# Altium PCB PCB4.PcbDoc (part 10 of 12) (continued)
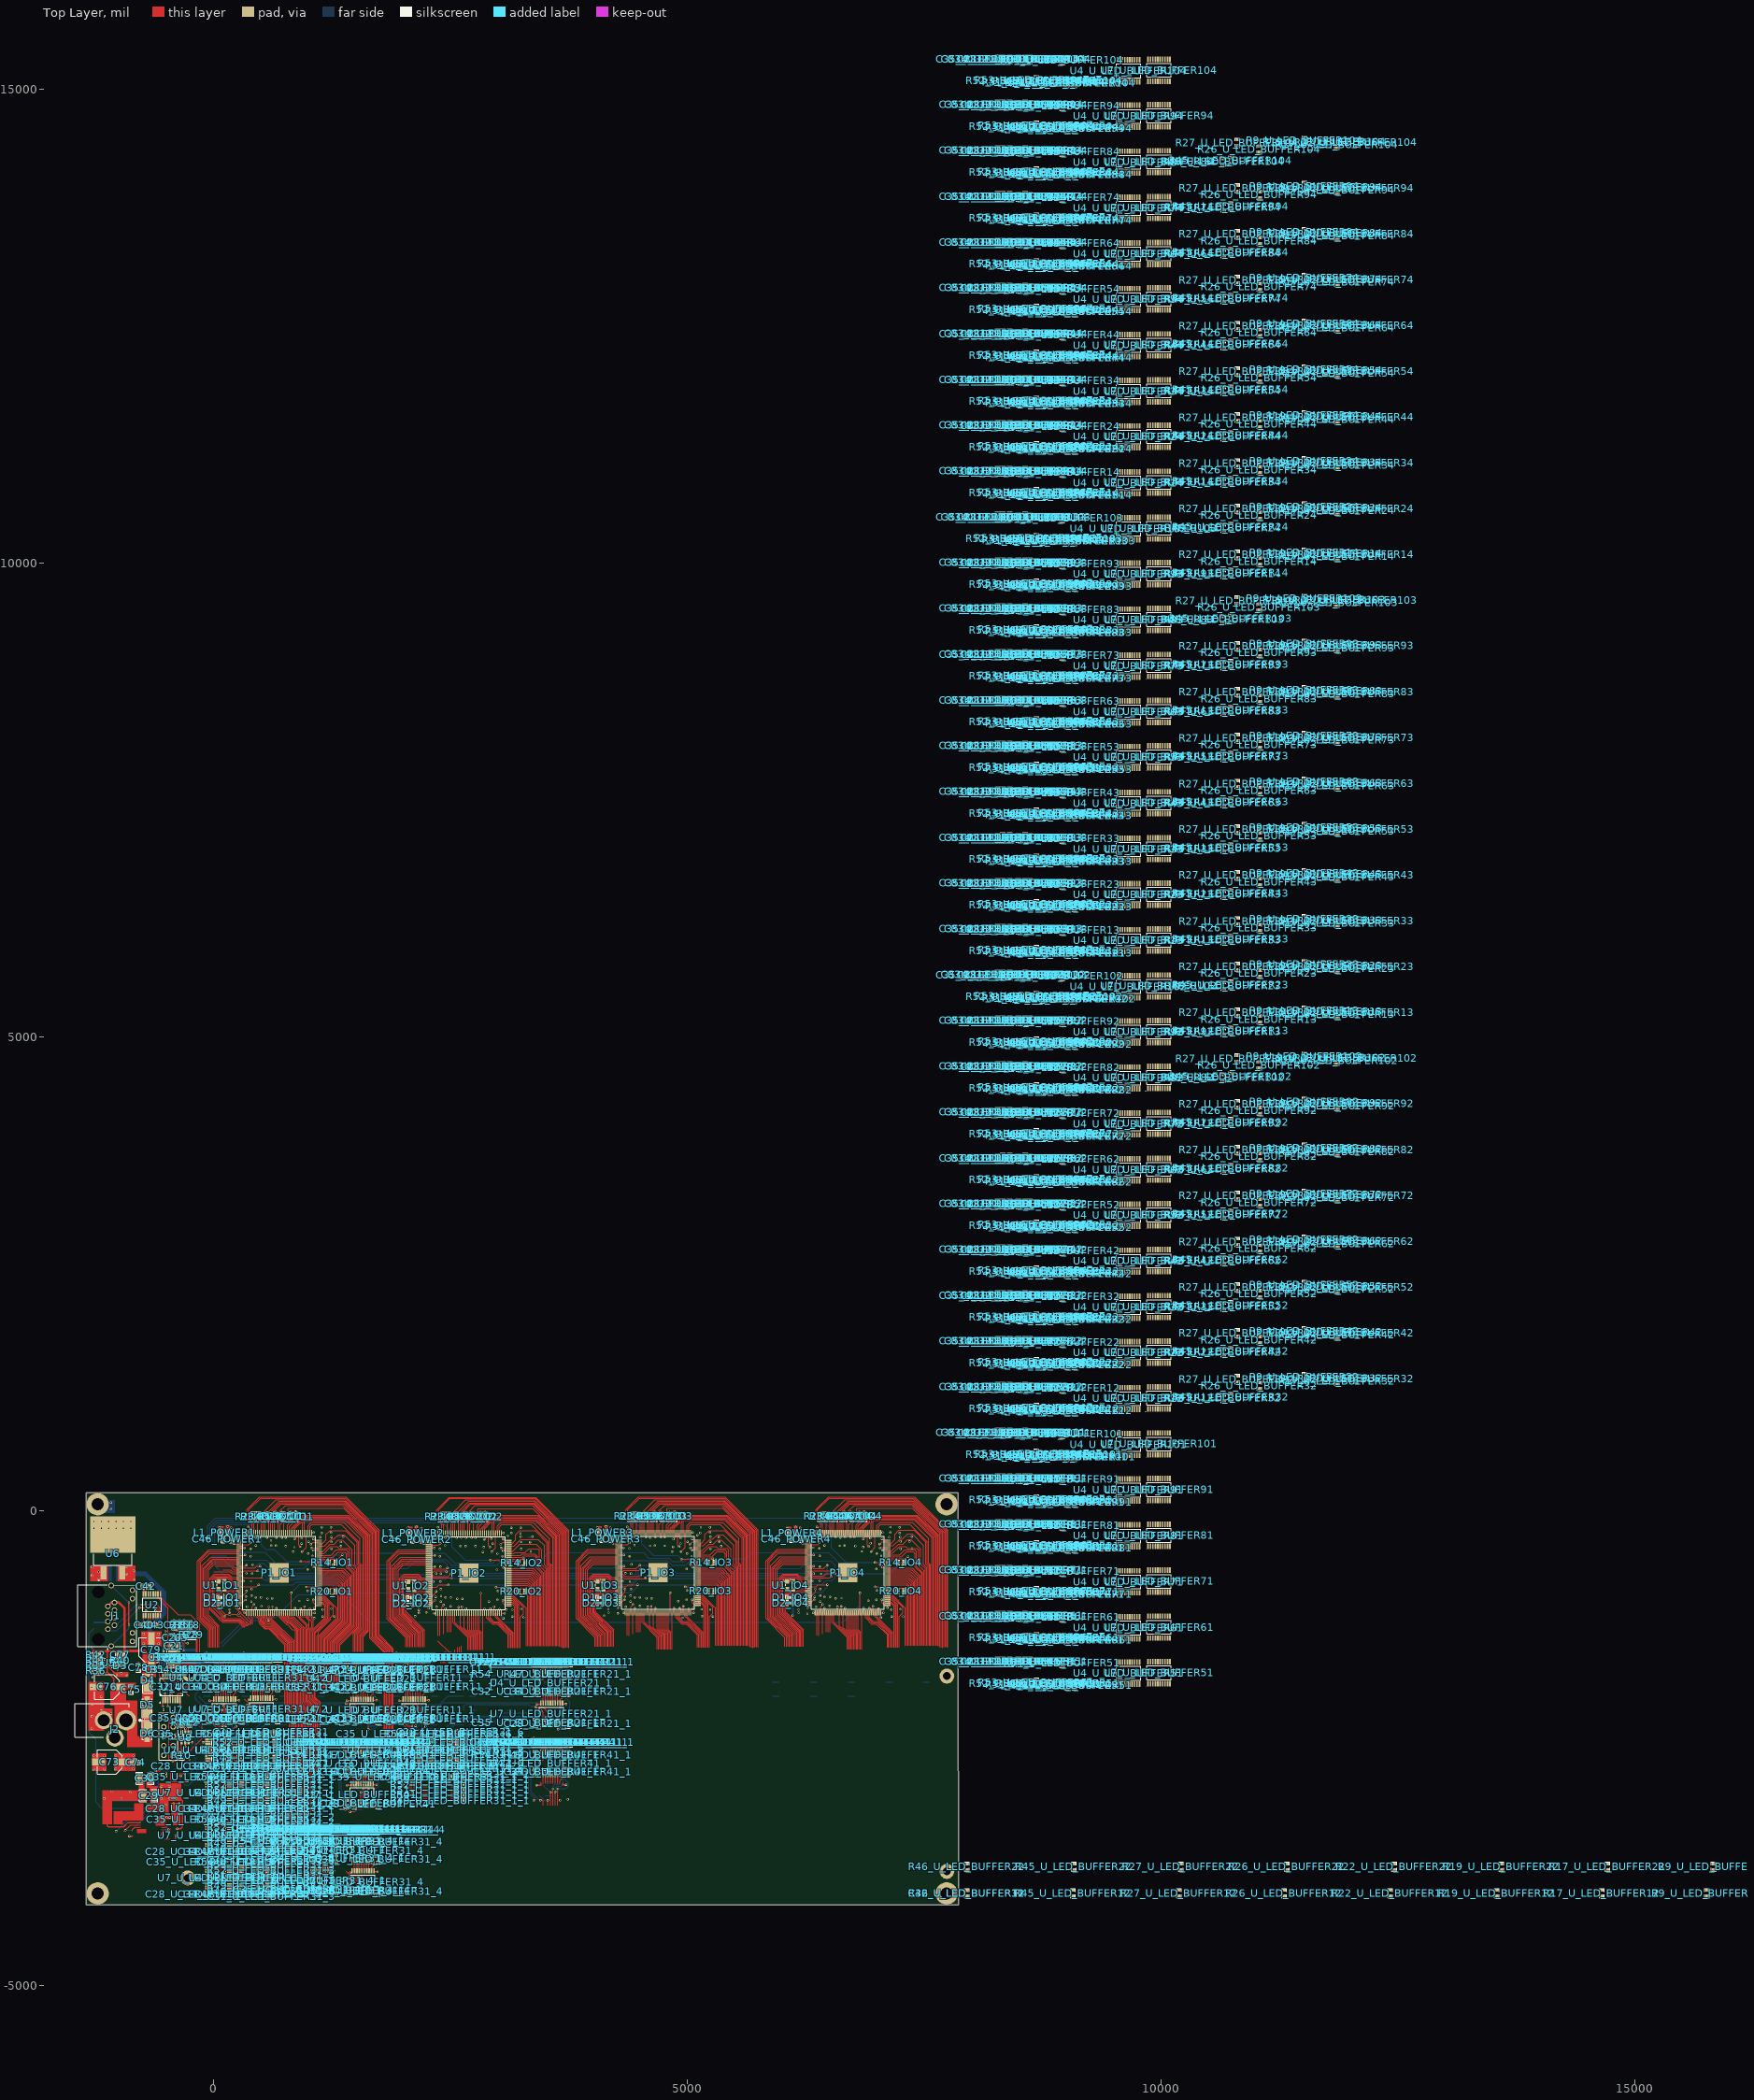
[diagram p0: Top Layer view]
## Nets (pads, with @x,y where several pads share a name; then routed paths per layer and width w, separated by ;. In a path a pad name is that pad's centre, name@x,y a point inside that pad or via, vN(x,y) a via of type N, cw(c..) or ccw(c..) an arc to the next point about the centre after c; other vN are vias at no path point) (continued)
  Bottom Layer w10: J1.2@-1042.5,-1204.1 -1024.09,-1204.1 -806.39,-986.4 v1(-754.3,-986.4)
RS232_TX: J1.1 U2.7 | length 716.3
  Top Layer w10: v1(-779.38,-1019.2) -589.6,-1019.2 -583.13,-1025.68 U2.7@-583.13,-1102.87
  Bottom Layer w10: J1.1@-1112.58,-1244.26 -1095.99,-1260.84 -1021.03,-1260.84 v1(-779.38,-1019.2)
SCL: P1_IO1.97 R14_IO1.1 | length 1572.1
  Top Layer w10: P1_IO1.97@1116.22,-523.1 1207,-523.1 v1(1216,-532.1) R14_IO1.1@1225,-541.1
  Bottom Layer w7: -16.8,-570.35 -16.8,-512.65 -5,-500.84 100.18,-500.84 194.42,-595.08 429.11,-595.08 475.93,-548.26 530.3,-548.26 636.14,-654.11 1107.11,-654.11 1213.65,-547.57 1213.65,-534.45 v1(1216,-532.1)
SCL_IO2: P1_IO2.97 R14_IO2.1 | length 116.2
  Top Layer w10: P1_IO2.97@3117.32,-525.7 3208.1,-525.7 v1(3217.1,-534.7) R14_IO2.1@3226.1,-543.7
SCL_IO3: P1_IO3.97 R14_IO3.1 | length 116.2
  Top Layer w10: P1_IO3.97@5114.22,-522.25 5205,-522.25 v1(5214,-531.25) R14_IO3.1@5223,-540.25
SCL_IO4: P1_IO4.97 R14_IO4.1 | length 116.2
  Top Layer w10: P1_IO4.97@7117.22,-522.1 7208,-522.1 R14_IO4.1@7226,-540.1
  other v1: 7217,-531.1
SDA: P1_IO1.80 R20_IO1.1 | length 1467.6
  Top Layer w10: P1_IO1.80@1116.22,-857.75 1219.75,-857.75 R20_IO1.1@1224.2,-853.3
  Bottom Layer w7: 81.44,-1392.32 353.77,-1120 660,-1120 820,-960 897.2,-882.8 1166.3,-882.8 1209.8,-839.3 v1(1210.2,-839.3)
SDA_IO2: P1_IO2.80 R20_IO2.1 | length 202.8
  Top Layer w10: R20_IO2.1@3225.3,-855.9 3220.85,-860.35 R20_IO2.1@3210.3,-860.35 ; R20_IO2.1@3210.3,-860.35 P1_IO2.80@3117.32,-860.35 R20_IO2.1@3210.3,-860.35
SDA_IO3: P1_IO3.80 R20_IO3.1 | length 202.8
  Top Layer w10: R20_IO3.1@5222.2,-852.45 5217.75,-856.9 R20_IO3.1@5207.2,-856.9 ; R20_IO3.1@5207.2,-856.9 P1_IO3.80@5114.22,-856.9 R20_IO3.1@5207.2,-856.9
SDA_IO4: P1_IO4.80 R20_IO4.1 | length 202.8
  Top Layer w10: R20_IO4.1@7225.2,-852.3 7220.75,-856.75 R20_IO4.1@7210.2,-856.75 ; R20_IO4.1@7210.2,-856.75 P1_IO4.80@7117.22,-856.75 R20_IO4.1@7210.2,-856.75
SHIELD: J1.MH1 J1.MH2 | length 799.5
  Top Layer w15: v1(-890,-1200) v1(-889.98,-964.5)
  Bottom Layer w15: J1.MH2@-1077.54,-1423.78 -890,-1236.24 v1(-890,-1200) ; J1.MH1@-1077.54,-783.63 -1076.37,-783.63 -895.5,-964.5 v1(-889.98,-964.5)
TCK: C36.2 P1_IO1.18 P1_IO2.18 P1_IO3.18 P1_IO4.18 P3.1 R12.2 U8.1 | length 8112.5
  Top Layer w7: P3.1@-422.4,-2575.5 -422.4,-2538.03 -370,-2485.63 -370,-2410 -350,-2390 -270,-2390 -259.6,-2379.6 U8.1@-259.6,-2338.69 -259.6,-2284.98 -252.71,-2278.09 v1(-252.71,-2273.49) ; R12.2@-253.4,-2255.5 -215.5,-2255.5 -143.02,-2183.02 -143.02,-2100.83 ; 100,-620 182.49,-620 203.7,-641.21 P1_IO1.18@270.71,-641.21 314.82,-641.21 326.03,-630 v1(470,-630) ; P1_IO2.18@2271.81,-643.81 2320.57,-643.81 2336.26,-628.12 2448.12,-628.12 v1(2460,-640) ; P1_IO3.18@4268.71,-640.36 4317.47,-640.36 4333.16,-624.67 4492.85,-624.67 4507.52,-610 v1(4510,-610) ; P1_IO4.18@6271.71,-640.21 6320.47,-640.21 6329.2,-631.48 6507.4,-631.48 6518.88,-620 v1(6520,-620)
  Bottom Layer w7: v1(470,-630) 472.5,-632.5 492.5,-632.5 570,-710 824,-710 834.91,-699.09 1250.91,-699.09 1283.03,-666.97 2286.97,-666.97 2310,-690 2430,-690 2472.6,-647.4 2472.6,-630 2490,-630 2750,-630 2797.37,-677.37 4077.2,-677.37 4169.77,-769.94 4400.06,-769.94 4488.03,-681.96 4488.03,-631.96 v1(4510,-610) 4792.58,-610 4862.94,-680.35 6210.35,-680.35 6238.63,-708.63 6432.35,-708.63 6520,-620.99 v1(6520,-620)
TDI: C39.2 P1_IO1.19 P3.9 R10.2 U8.4 | length 1580.4
  Top Layer w7: P3.9@-422.4,-2175.5 -470,-2223.1 -470,-2617.1 -453.51,-2633.59 -392.69,-2633.59 -371.81,-2612.71 -371.81,-2583.18 -347.23,-2558.6 -344.4,-2558.6 R10.2@-332.9,-2547.1 ; U8.4@-334.4,-2437.11 -334.4,-2521 -330,-2525.4 v1(-330,-2530) ; v1@-330,-2528.66 -247.64,-2528.66 -120,-2401.02 -120,-2113.1 ; 2.64,-640.46 174.99,-640.46 194.94,-660.41 270.22,-660.41 P1_IO1.19@270.71,-660.9
TDI_IO2: P1_IO1.20 P1_IO2.19 | length 2549.4
  Top Layer w7: P1_IO1.20@270.71,-680.58 300.86,-680.58 322.4,-702.12 507.87,-702.12 v1(510,-700) ; P1_IO2.19@2271.81,-663.5 2272.71,-664.4 2302.98,-664.4 2325.98,-687.4 2481,-687.4 v1@2504.9,-663.5
  Bottom Layer w7: v1(510,-700) 540,-730 842.74,-730 854.06,-718.68 2019.7,-718.68 2026.98,-711.4 2393.92,-711.4 2401.2,-718.68 2451.32,-718.68 v1(2510,-660)
TDI_IO3: P1_IO2.20 P1_IO3.19 | length 2659.6
  Top Layer w7: P1_IO2.20@2271.81,-683.18 2301.96,-683.18 2323.5,-704.72 v1(2513.03,-704.72) ; P1_IO3.19@4268.71,-660.05 4269.61,-660.95 4315.09,-660.95 4343.07,-688.94 4491.06,-688.94 v1(4530,-650)
  Bottom Layer w7: v1(2513.03,-704.72) 2516.26,-707.95 4066.33,-707.95 4146.18,-787.81 4412.08,-787.81 4530,-669.89 v1(4530,-650)
TDI_IO4: P1_IO3.20 P1_IO4.19 | length 2719.7
  Top Layer w7: P1_IO3.20@4268.71,-679.73 4269.53,-680.56 4303.68,-680.56 4336.13,-713.01 4548.55,-713.01 4560.14,-701.42 v1(4561.15,-701.42) ; P1_IO4.19@6271.71,-659.9 6272.61,-660.8 6302.88,-660.8 6325.88,-683.8 6436.2,-683.8 6460.1,-659.9 6559.9,-659.9 v1(6560,-660)
  Bottom Layer w7: v1(4561.15,-701.42) 4565.75,-701.42 4572.13,-707.8 6147.8,-707.8 6213.74,-773.74 6425.65,-773.74 6465.18,-734.21 6527.87,-734.21 6560,-702.09 v1(6560,-660)
TDO: C37.2 P1_IO4.20 P3.3 U8.6 | length 8144.4
  Top Layer w7: U8.6@-259.6,-2437.11 -256.71,-2440 v1(-220,-2440) ; P1_IO4.20@6271.71,-679.58 6301.86,-679.58 6323.4,-701.12 6508.87,-701.12 v1(6520,-690)
  Bottom Layer w7: P3.3@-422.4,-2475.5 -393.15,-2504.75 -300.71,-2504.75 -255.92,-2549.54 C37.2@-253.2,-2549.54 -250.48,-2549.54 -238.98,-2538.04 -238.98,-2535.32 -220,-2516.34 v1(-220,-2440) -220,-2087.98 ; -39.81,-560.19 -39.81,-503.14 -6.67,-470 130,-470 178.13,-518.13 559.25,-518.13 647.46,-606.34 957.01,-606.34 1021.08,-542.27 1166.16,-542.27 1212.94,-495.48 1334.34,-495.48 1401.66,-562.8 2037.24,-562.8 2089.84,-510.2 2454.64,-510.2 2512.33,-567.89 2994.98,-567.89 3017.47,-545.4 3133.48,-545.4 3186.59,-598.51 4235.73,-598.51 4314.8,-519.44 4788.16,-519.44 4838.73,-570 4984.67,-570 5020.45,-534.22 5101.78,-534.22 5174.28,-606.72 6192.22,-606.72 6273.38,-525.56 6515.56,-525.56 6560,-570 6560,-620 6520,-660 v1(6520,-690)
TMS: C38.2 P1_IO1.16 P1_IO2.16 P1_IO3.16 P1_IO4.16 P3.5 R11.2 U8.3 | length 7976.7
  Top Layer w7: P3.5@-422.4,-2375.5 -385.59,-2338.69 U8.3@-334.4,-2338.69 -332.8,-2337.09 R11.2@-332.8,-2256.9 ; 30,-580 207.46,-580 229.3,-601.84 P1_IO1.16@270.71,-601.84 438.16,-601.84 460,-580 492.09,-580 v1(492.39,-579.7) ; P1_IO2.16@2271.81,-604.44 2324.91,-604.44 2330.6,-610.13 2459.87,-610.13 v1(2470,-600) ; P1_IO3.16@4268.71,-600.99 4321.81,-600.99 4327.5,-606.68 4463.32,-606.68 v1(4500,-570) ; P1_IO4.16@6271.71,-600.84 6324.81,-600.84 6330.5,-606.53 6440,-606.53 6475.31,-571.21 v1(6476.36,-571.21)
  Bottom Layer w7: C38.2@-332.8,-2256.9 -335.9,-2260 -350.9,-2260 -350.9,-2259.82 -370,-2240.72 -370,-2150.52 -329.48,-2110 -290,-2110 ; v1(492.39,-579.7) 492.39,-582.39 567.01,-657.01 587.32,-677.32 1168.31,-677.32 1240.19,-605.44 2051.61,-605.44 2126.17,-530.88 2430.88,-530.88 2470,-570 v1(2470,-600) 2790,-600 2844.8,-654.8 4164.8,-654.8 4210.3,-700.3 4424.41,-700.3 4462.9,-661.81 4462.9,-603.36 4496.26,-570 v1(4500,-570) 4798.47,-570 4882.72,-654.25 6264.25,-654.25 6300,-690 6425.97,-690 6476.36,-639.61 v1(6476.36,-571.21)
  other v1: -333.49,-2271.89
V+: C41.2 U2.2 | length 53.5
  Top Layer w10: v1(-711.8,-1049.7) -711.08,-1050.42 U2.2@-711.08,-1102.87
V-: C44.2 U2.6 | length 53.2
  Top Layer w10: v1(-609.5,-1050) -608.72,-1050.78 U2.6@-608.72,-1102.87
VCC3P3: R10.1 R11.1 | length 78.3
  Top Layer w15: R10.1@-332.9,-2607.1 -332.24,-2607.76 -332.24,-2642.59 v1(-331.59,-2643.25) ; R11.1@-332.8,-2196.9 -332.55,-2196.64 -332.55,-2155.78 v1(-332.29,-2155.53)
VCC_3V3: C1_IO1.2 C1_IO2.2 C1_IO3.2 C1_IO4.2 C30.2 C31_U_LED_BUFFER11.2 C31_U_LED_BUFFER12.2 C31_U_LED_BUFFER13.2 C31_U_LED_BUFFER14.2 C31_U_LED_BUFFER21.2 C31_U_LED_BUFFER22.2 C31_U_LED_BUFFER23.2 C31_U_LED_BUFFER24.2 C31_U_LED_BUFFER31.2 C31_U_LED_BUFFER32.2 C31_U_LED_BUFFER33.2 C31_U_LED_BUFFER34.2 C31_U_LED_BUFFER41.2 C31_U_LED_BUFFER42.2 C31_U_LED_BUFFER43.2 C31_U_LED_BUFFER44.2 C31_U_LED_BUFFER51.2 C31_U_LED_BUFFER52.2 C31_U_LED_BUFFER53.2 C31_U_LED_BUFFER54.2 C31_U_LED_BUFFER61.2 C31_U_LED_BUFFER62.2 C31_U_LED_BUFFER63.2 C31_U_LED_BUFFER64.2 C31_U_LED_BUFFER71.2 C31_U_LED_BUFFER72.2 C31_U_LED_BUFFER73.2 C31_U_LED_BUFFER74.2 C31_U_LED_BUFFER81.2 C31_U_LED_BUFFER82.2 C31_U_LED_BUFFER83.2 C31_U_LED_BUFFER84.2 C31_U_LED_BUFFER91.2 C31_U_LED_BUFFER92.2 C31_U_LED_BUFFER93.2 C31_U_LED_BUFFER94.2 C31_U_LED_BUFFER101.2 C31_U_LED_BUFFER102.2 C31_U_LED_BUFFER103.2 C31_U_LED_BUFFER104.2 C33_U_LED_BUFFER11.2 C33_U_LED_BUFFER12.2 C33_U_LED_BUFFER13.2 C33_U_LED_BUFFER14.2 C33_U_LED_BUFFER21.2 C33_U_LED_BUFFER22.2 C33_U_LED_BUFFER23.2 C33_U_LED_BUFFER24.2 C33_U_LED_BUFFER31.2 C33_U_LED_BUFFER32.2 C33_U_LED_BUFFER33.2 C33_U_LED_BUFFER34.2 C33_U_LED_BUFFER41.2 C33_U_LED_BUFFER42.2 C33_U_LED_BUFFER43.2 C33_U_LED_BUFFER44.2 C33_U_LED_BUFFER51.2 C33_U_LED_BUFFER52.2 C33_U_LED_BUFFER53.2 C33_U_LED_BUFFER54.2 C33_U_LED_BUFFER61.2 C33_U_LED_BUFFER62.2 C33_U_LED_BUFFER63.2 C33_U_LED_BUFFER64.2 C33_U_LED_BUFFER71.2 C33_U_LED_BUFFER72.2 C33_U_LED_BUFFER73.2 C33_U_LED_BUFFER74.2 C33_U_LED_BUFFER81.2 C33_U_LED_BUFFER82.2 C33_U_LED_BUFFER83.2 C33_U_LED_BUFFER84.2 C33_U_LED_BUFFER91.2 C33_U_LED_BUFFER92.2 C33_U_LED_BUFFER93.2 C33_U_LED_BUFFER94.2 C33_U_LED_BUFFER101.2 C33_U_LED_BUFFER102.2 C33_U_LED_BUFFER103.2 C33_U_LED_BUFFER104.2 C42.2 L1_POWER1.1 L1_POWER2.1 L1_POWER3.1 L1_POWER4.1 L3_POWER1.1 L3_POWER2.1 L3_POWER3.1 L3_POWER4.1 P3.4 U1_IO1.1 U1_IO1.4 U1_IO2.1 U1_IO2.4 U1_IO3.1 U1_IO3.4 U1_IO4.1 U1_IO4.4 U2.16 U4_U_LED_BUFFER11.2 U4_U_LED_BUFFER11.10 U4_U_LED_BUFFER12.2 U4_U_LED_BUFFER12.10 U4_U_LED_BUFFER13.2 U4_U_LED_BUFFER13.10 U4_U_LED_BUFFER14.2 U4_U_LED_BUFFER14.10 U4_U_LED_BUFFER21.2 U4_U_LED_BUFFER21.10 U4_U_LED_BUFFER22.2 U4_U_LED_BUFFER22.10 U4_U_LED_BUFFER23.2 U4_U_LED_BUFFER23.10 U4_U_LED_BUFFER24.2 U4_U_LED_BUFFER24.10 U4_U_LED_BUFFER31.2 U4_U_LED_BUFFER31.10 U4_U_LED_BUFFER32.2 U4_U_LED_BUFFER32.10 U4_U_LED_BUFFER33.2 U4_U_LED_BUFFER33.10 U4_U_LED_BUFFER34.2 U4_U_LED_BUFFER34.10 U4_U_LED_BUFFER41.2 U4_U_LED_BUFFER41.10 U4_U_LED_BUFFER42.2 U4_U_LED_BUFFER42.10 U4_U_LED_BUFFER43.2 U4_U_LED_BUFFER43.10 U4_U_LED_BUFFER44.2 U4_U_LED_BUFFER44.10 U4_U_LED_BUFFER51.2 U4_U_LED_BUFFER51.10 U4_U_LED_BUFFER52.2 U4_U_LED_BUFFER52.10 U4_U_LED_BUFFER53.2 U4_U_LED_BUFFER53.10 U4_U_LED_BUFFER54.2 U4_U_LED_BUFFER54.10 U4_U_LED_BUFFER61.2 U4_U_LED_BUFFER61.10 U4_U_LED_BUFFER62.2 U4_U_LED_BUFFER62.10 U4_U_LED_BUFFER63.2 U4_U_LED_BUFFER63.10 U4_U_LED_BUFFER64.2 U4_U_LED_BUFFER64.10 U4_U_LED_BUFFER71.2 U4_U_LED_BUFFER71.10 U4_U_LED_BUFFER72.2 U4_U_LED_BUFFER72.10 U4_U_LED_BUFFER73.2 U4_U_LED_BUFFER73.10 U4_U_LED_BUFFER74.2 U4_U_LED_BUFFER74.10 U4_U_LED_BUFFER81.2 U4_U_LED_BUFFER81.10 U4_U_LED_BUFFER82.2 U4_U_LED_BUFFER82.10 U4_U_LED_BUFFER83.2 U4_U_LED_BUFFER83.10 U4_U_LED_BUFFER84.2 U4_U_LED_BUFFER84.10 U4_U_LED_BUFFER91.2 U4_U_LED_BUFFER91.10 U4_U_LED_BUFFER92.2 U4_U_LED_BUFFER92.10 U4_U_LED_BUFFER93.2 U4_U_LED_BUFFER93.10 U4_U_LED_BUFFER94.2 U4_U_LED_BUFFER94.10 U4_U_LED_BUFFER101.2 U4_U_LED_BUFFER101.10 U4_U_LED_BUFFER102.2 U4_U_LED_BUFFER102.10 U4_U_LED_BUFFER103.2 U4_U_LED_BUFFER103.10 U4_U_LED_BUFFER104.2 U4_U_LED_BUFFER104.10 U6.4 U8.5 U14.7 U14.16 | length 1294.6
  Top Layer w15: U2.16@-736.67,-871.53 -736.67,-791.51 C42.2@-735.26,-790.1 ; U14.16@-530.97,-1717.98 -530.97,-1657.07 v1@-530.9,-1657 ; U14.7@-377.43,-1992.62 -377.43,-1937.15 -365.21,-1924.94 -339.04,-1924.94 v1(-337.32,-1923.22) ; v1(-297.83,-2482.25) -297.41,-2481.84 -297.41,-2437.52 U8.5@-297,-2437.11 ; U4_U_LED_BUFFER11.10@4.84,-1644.33 4.84,-1695.38 v1(5.88,-1696.42) ; U1_IO1.1@53.72,-740.96 U1_IO1.4@118.68,-740.96 ; U4_U_LED_BUFFER11.2@209.57,-1644.33 209.57,-1693.17 v1@212.26,-1695.87 ; v1@454.13,-2612.26 456.83,-2609.57 U4_U_LED_BUFFER31.2@505.67,-2609.57 ; v1@480,-2380.45 480,-2385.86 484.13,-2389.99 484.13,-2403.48 485.49,-2404.84 U4_U_LED_BUFFER31.10@505.67,-2404.84 ; U4_U_LED_BUFFER41.10@1454.84,-2544.33 1454.84,-2595.38 v1(1455.88,-2596.42) ; U4_U_LED_BUFFER21.10@1454.84,-1654.33 1454.84,-1705.38 v1(1455.88,-1706.42) ; U4_U_LED_BUFFER41.2@1659.57,-2544.33 1659.57,-2593.17 v1@1662.26,-2595.87 ; U4_U_LED_BUFFER21.2@1659.57,-1654.33 1659.57,-1703.17 v1@1662.26,-1705.87 ; U1_IO2.1@2046.75,-744.19 U1_IO2.4@2111.71,-744.19 ; U1_IO2.1@2054.82,-743.56 U1_IO2.4@2119.78,-743.56 ; U1_IO3.1@4047.85,-746.8 U1_IO3.4@4112.81,-746.8 ; U1_IO3.1@4051.72,-740.11 U1_IO3.4@4116.68,-740.11 ; U1_IO4.1@6044.75,-743.35 U1_IO4.4@6109.71,-743.35 ; U1_IO4.1@6054.72,-739.96 U1_IO4.4@6119.68,-739.96
  Bottom Layer w15: L3_POWER1.1@1323.57,-269.4 1324.1,-269.93 1369.26,-269.93 v1(1369.79,-270.46) ; L3_POWER2.1@3324.67,-272 3360.61,-272 3363.68,-268.93 v1(3366.12,-268.93) ; L3_POWER4.1@7324.57,-268.4 7324.89,-268.72 7369.58,-268.72 v1(7369.91,-269.05)
  other v1: 563.7,-2713.43 450,-2610 1660,-2600 1383.03,-2486.97 1763.43,-2486.3 481.18,-2384.61 563.03,-2333.03 1660,-1710 -102.38,-1705.84 210,-1700 -530.9,-1657.5 1383.03,-1596.97 1763.43,-1596.3 -66.97,-1586.97 -736.9,-814.63 2036.3,-733.9 6026.23,-733.68 35.2,-731.3 4033.2,-730.45 5335.8,-275.67 2056.13,-257.8 68.68,-255.53 4054.73,-253.54 6057.38,-252.82 2055.93,-217.42 6055.93,-217.42 62.89,-214.19 4054.31,-212.97 6054.79,-182.22 -1260,-180 -1182,-180 -1104,-180 -1026,-180 -948,-180 -870,-180 64.01,-176.25 2054.83,-174.07 4052.23,-173.74 -1260,-110 -1182,-110 -1104,-110 -1026,-110 -948,-110 -870,-110
VCC_5V: C25.1 C26.2 C27.2 C28_U_LED_BUFFER11.1 C28_U_LED_BUFFER12.1 C28_U_LED_BUFFER13.1 C28_U_LED_BUFFER14.1 C28_U_LED_BUFFER21.1 C28_U_LED_BUFFER22.1 C28_U_LED_BUFFER23.1 C28_U_LED_BUFFER24.1 C28_U_LED_BUFFER31.1 C28_U_LED_BUFFER32.1 C28_U_LED_BUFFER33.1 C28_U_LED_BUFFER34.1 C28_U_LED_BUFFER41.1 C28_U_LED_BUFFER42.1 C28_U_LED_BUFFER43.1 C28_U_LED_BUFFER44.1 C28_U_LED_BUFFER51.1 C28_U_LED_BUFFER52.1 C28_U_LED_BUFFER53.1 C28_U_LED_BUFFER54.1 C28_U_LED_BUFFER61.1 C28_U_LED_BUFFER62.1 C28_U_LED_BUFFER63.1 C28_U_LED_BUFFER64.1 C28_U_LED_BUFFER71.1 C28_U_LED_BUFFER72.1 C28_U_LED_BUFFER73.1 C28_U_LED_BUFFER74.1 C28_U_LED_BUFFER81.1 C28_U_LED_BUFFER82.1 C28_U_LED_BUFFER83.1 C28_U_LED_BUFFER84.1 C28_U_LED_BUFFER91.1 C28_U_LED_BUFFER92.1 C28_U_LED_BUFFER93.1 C28_U_LED_BUFFER94.1 C28_U_LED_BUFFER101.1 C28_U_LED_BUFFER102.1 C28_U_LED_BUFFER103.1 C28_U_LED_BUFFER104.1 C29.2 C32_U_LED_BUFFER11.1 C32_U_LED_BUFFER12.1 C32_U_LED_BUFFER13.1 C32_U_LED_BUFFER14.1 C32_U_LED_BUFFER21.1 C32_U_LED_BUFFER22.1 C32_U_LED_BUFFER23.1 C32_U_LED_BUFFER24.1 C32_U_LED_BUFFER31.1 C32_U_LED_BUFFER32.1 C32_U_LED_BUFFER33.1 C32_U_LED_BUFFER34.1 C32_U_LED_BUFFER41.1 C32_U_LED_BUFFER42.1 C32_U_LED_BUFFER43.1 C32_U_LED_BUFFER44.1 C32_U_LED_BUFFER51.1 C32_U_LED_BUFFER52.1 C32_U_LED_BUFFER53.1 C32_U_LED_BUFFER54.1 C32_U_LED_BUFFER61.1 C32_U_LED_BUFFER62.1 C32_U_LED_BUFFER63.1 C32_U_LED_BUFFER64.1 C32_U_LED_BUFFER71.1 C32_U_LED_BUFFER72.1 C32_U_LED_BUFFER73.1 C32_U_LED_BUFFER74.1 C32_U_LED_BUFFER81.1 C32_U_LED_BUFFER82.1 C32_U_LED_BUFFER83.1 C32_U_LED_BUFFER84.1 C32_U_LED_BUFFER91.1 C32_U_LED_BUFFER92.1 C32_U_LED_BUFFER93.1 C32_U_LED_BUFFER94.1 C32_U_LED_BUFFER101.1 C32_U_LED_BUFFER102.1 C32_U_LED_BUFFER103.1 C32_U_LED_BUFFER104.1 C34_U_LED_BUFFER11.1 C34_U_LED_BUFFER12.1 C34_U_LED_BUFFER13.1 C34_U_LED_BUFFER14.1 C34_U_LED_BUFFER21.1 C34_U_LED_BUFFER22.1 C34_U_LED_BUFFER23.1 C34_U_LED_BUFFER24.1 C34_U_LED_BUFFER31.1 C34_U_LED_BUFFER32.1 C34_U_LED_BUFFER33.1 C34_U_LED_BUFFER34.1 C34_U_LED_BUFFER41.1 C34_U_LED_BUFFER42.1 C34_U_LED_BUFFER43.1 C34_U_LED_BUFFER44.1 C34_U_LED_BUFFER51.1 C34_U_LED_BUFFER52.1 C34_U_LED_BUFFER53.1 C34_U_LED_BUFFER54.1 C34_U_LED_BUFFER61.1 C34_U_LED_BUFFER62.1 C34_U_LED_BUFFER63.1 C34_U_LED_BUFFER64.1 C34_U_LED_BUFFER71.1 C34_U_LED_BUFFER72.1 C34_U_LED_BUFFER73.1 C34_U_LED_BUFFER74.1 C34_U_LED_BUFFER81.1 C34_U_LED_BUFFER82.1 C34_U_LED_BUFFER83.1 C34_U_LED_BUFFER84.1 C34_U_LED_BUFFER91.1 C34_U_LED_BUFFER92.1 C34_U_LED_BUFFER93.1 C34_U_LED_BUFFER94.1 C34_U_LED_BUFFER101.1 C34_U_LED_BUFFER102.1 C34_U_LED_BUFFER103.1 C34_U_LED_BUFFER104.1 C35_U_LED_BUFFER11.1 C35_U_LED_BUFFER12.1 C35_U_LED_BUFFER13.1 C35_U_LED_BUFFER14.1 C35_U_LED_BUFFER21.1 C35_U_LED_BUFFER22.1 C35_U_LED_BUFFER23.1 C35_U_LED_BUFFER24.1 C35_U_LED_BUFFER31.1 C35_U_LED_BUFFER31_4_2.1 C35_U_LED_BUFFER32.1 C35_U_LED_BUFFER33.1 C35_U_LED_BUFFER34.1 C35_U_LED_BUFFER41.1 C35_U_LED_BUFFER42.1 C35_U_LED_BUFFER43.1 C35_U_LED_BUFFER44.1 C35_U_LED_BUFFER51.1 C35_U_LED_BUFFER52.1 C35_U_LED_BUFFER53.1 C35_U_LED_BUFFER54.1 C35_U_LED_BUFFER61.1 C35_U_LED_BUFFER62.1 C35_U_LED_BUFFER63.1 C35_U_LED_BUFFER64.1 C35_U_LED_BUFFER71.1 C35_U_LED_BUFFER72.1 C35_U_LED_BUFFER73.1 C35_U_LED_BUFFER74.1 C35_U_LED_BUFFER81.1 C35_U_LED_BUFFER82.1 C35_U_LED_BUFFER83.1 C35_U_LED_BUFFER84.1 C35_U_LED_BUFFER91.1 C35_U_LED_BUFFER92.1 C35_U_LED_BUFFER93.1 C35_U_LED_BUFFER94.1 C35_U_LED_BUFFER101.1 C35_U_LED_BUFFER102.1 C35_U_LED_BUFFER103.1 C35_U_LED_BUFFER104.1 D7_U_LED_BUFFER11.1 D7_U_LED_BUFFER12.1 D7_U_LED_BUFFER13.1 D7_U_LED_BUFFER14.1 D7_U_LED_BUFFER21.1 D7_U_LED_BUFFER22.1 D7_U_LED_BUFFER23.1 D7_U_LED_BUFFER24.1 D7_U_LED_BUFFER31.1 D7_U_LED_BUFFER32.1 D7_U_LED_BUFFER33.1 D7_U_LED_BUFFER34.1 D7_U_LED_BUFFER41.1 D7_U_LED_BUFFER42.1 D7_U_LED_BUFFER43.1 D7_U_LED_BUFFER44.1 D7_U_LED_BUFFER51.1 D7_U_LED_BUFFER52.1 D7_U_LED_BUFFER53.1 D7_U_LED_BUFFER54.1 D7_U_LED_BUFFER61.1 D7_U_LED_BUFFER61_1.1 D7_U_LED_BUFFER62.1 D7_U_LED_BUFFER63.1 D7_U_LED_BUFFER64.1 D7_U_LED_BUFFER71.1 D7_U_LED_BUFFER72.1 D7_U_LED_BUFFER73.1 D7_U_LED_BUFFER74.1 D7_U_LED_BUFFER81.1 D7_U_LED_BUFFER82.1 D7_U_LED_BUFFER83.1 D7_U_LED_BUFFER84.1 D7_U_LED_BUFFER91.1 D7_U_LED_BUFFER92.1 D7_U_LED_BUFFER93.1 D7_U_LED_BUFFER94.1 D7_U_LED_BUFFER101.1 D7_U_LED_BUFFER102.1 D7_U_LED_BUFFER103.1 D7_U_LED_BUFFER104.1 D8_U_LED_BUFFER11.1 D8_U_LED_BUFFER12.1 D8_U_LED_BUFFER13.1 D8_U_LED_BUFFER14.1 D8_U_LED_BUFFER21.1 D8_U_LED_BUFFER22.1 D8_U_LED_BUFFER23.1 D8_U_LED_BUFFER24.1 D8_U_LED_BUFFER31.1 D8_U_LED_BUFFER32.1 D8_U_LED_BUFFER33.1 D8_U_LED_BUFFER34.1 D8_U_LED_BUFFER41.1 D8_U_LED_BUFFER42.1 D8_U_LED_BUFFER43.1 D8_U_LED_BUFFER44.1 D8_U_LED_BUFFER51.1 D8_U_LED_BUFFER52.1 D8_U_LED_BUFFER53.1 D8_U_LED_BUFFER54.1 D8_U_LED_BUFFER61.1 D8_U_LED_BUFFER62.1 D8_U_LED_BUFFER63.1 D8_U_LED_BUFFER64.1 D8_U_LED_BUFFER71.1 D8_U_LED_BUFFER72.1 D8_U_LED_BUFFER73.1 D8_U_LED_BUFFER74.1 D8_U_LED_BUFFER81.1 D8_U_LED_BUFFER82.1 D8_U_LED_BUFFER83.1 D8_U_LED_BUFFER84.1 D8_U_LED_BUFFER91.1 D8_U_LED_BUFFER92.1 D8_U_LED_BUFFER93.1 D8_U_LED_BUFFER94.1 D8_U_LED_BUFFER101.1 D8_U_LED_BUFFER102.1 D8_U_LED_BUFFER103.1 D8_U_LED_BUFFER104.1 D9_U_LED_BUFFER11.1 D9_U_LED_BUFFER12.1 D9_U_LED_BUFFER13.1 D9_U_LED_BUFFER14.1 D9_U_LED_BUFFER21.1 D9_U_LED_BUFFER22.1 D9_U_LED_BUFFER23.1 D9_U_LED_BUFFER24.1 D9_U_LED_BUFFER31.1 D9_U_LED_BUFFER32.1 D9_U_LED_BUFFER33.1 D9_U_LED_BUFFER34.1 D9_U_LED_BUFFER41.1 D9_U_LED_BUFFER42.1 D9_U_LED_BUFFER43.1 D9_U_LED_BUFFER44.1 D9_U_LED_BUFFER51.1 D9_U_LED_BUFFER52.1 D9_U_LED_BUFFER53.1 D9_U_LED_BUFFER54.1 D9_U_LED_BUFFER61.1 D9_U_LED_BUFFER62.1 D9_U_LED_BUFFER63.1 D9_U_LED_BUFFER64.1 D9_U_LED_BUFFER71.1 D9_U_LED_BUFFER72.1 D9_U_LED_BUFFER73.1 D9_U_LED_BUFFER74.1 D9_U_LED_BUFFER81.1 D9_U_LED_BUFFER82.1 D9_U_LED_BUFFER83.1 D9_U_LED_BUFFER84.1 D9_U_LED_BUFFER91.1 D9_U_LED_BUFFER92.1 D9_U_LED_BUFFER93.1 D9_U_LED_BUFFER94.1 D9_U_LED_BUFFER101.1 D9_U_LED_BUFFER102.1 D9_U_LED_BUFFER103.1 D9_U_LED_BUFFER104.1 D10_U_LED_BUFFER11.1 D10_U_LED_BUFFER12.1 D10_U_LED_BUFFER13.1 D10_U_LED_BUFFER14.1 D10_U_LED_BUFFER21.1 D10_U_LED_BUFFER22.1 D10_U_LED_BUFFER23.1 D10_U_LED_BUFFER24.1 D10_U_LED_BUFFER31.1 D10_U_LED_BUFFER32.1 D10_U_LED_BUFFER33.1 D10_U_LED_BUFFER34.1 D10_U_LED_BUFFER41.1 D10_U_LED_BUFFER42.1 D10_U_LED_BUFFER43.1 D10_U_LED_BUFFER44.1 D10_U_LED_BUFFER51.1 D10_U_LED_BUFFER51_1.1 D10_U_LED_BUFFER52.1 D10_U_LED_BUFFER53.1 D10_U_LED_BUFFER54.1 D10_U_LED_BUFFER61.1 D10_U_LED_BUFFER62.1 D10_U_LED_BUFFER63.1 D10_U_LED_BUFFER64.1 D10_U_LED_BUFFER71.1 D10_U_LED_BUFFER72.1 D10_U_LED_BUFFER73.1 D10_U_LED_BUFFER74.1 D10_U_LED_BUFFER81.1 D10_U_LED_BUFFER82.1 D10_U_LED_BUFFER83.1 D10_U_LED_BUFFER84.1 D10_U_LED_BUFFER91.1 D10_U_LED_BUFFER92.1 D10_U_LED_BUFFER93.1 D10_U_LED_BUFFER94.1 D10_U_LED_BUFFER101.1 D10_U_LED_BUFFER102.1 D10_U_LED_BUFFER103.1 D10_U_LED_BUFFER104.1 D11_U_LED_BUFFER11.1 D11_U_LED_BUFFER12.1 D11_U_LED_BUFFER13.1 D11_U_LED_BUFFER14.1 D11_U_LED_BUFFER21.1 D11_U_LED_BUFFER22.1 D11_U_LED_BUFFER23.1 D11_U_LED_BUFFER24.1 D11_U_LED_BUFFER31.1 D11_U_LED_BUFFER32.1 D11_U_LED_BUFFER33.1 D11_U_LED_BUFFER34.1 D11_U_LED_BUFFER41.1 D11_U_LED_BUFFER42.1 D11_U_LED_BUFFER43.1 D11_U_LED_BUFFER44.1 D11_U_LED_BUFFER51.1 D11_U_LED_BUFFER52.1 D11_U_LED_BUFFER53.1 D11_U_LED_BUFFER54.1 D11_U_LED_BUFFER61.1 D11_U_LED_BUFFER62.1 D11_U_LED_BUFFER63.1 D11_U_LED_BUFFER64.1 D11_U_LED_BUFFER71.1 D11_U_LED_BUFFER72.1 D11_U_LED_BUFFER73.1 D11_U_LED_BUFFER74.1 D11_U_LED_BUFFER81.1 D11_U_LED_BUFFER82.1 D11_U_LED_BUFFER83.1 D11_U_LED_BUFFER84.1 D11_U_LED_BUFFER91.1 D11_U_LED_BUFFER92.1 D11_U_LED_BUFFER93.1 D11_U_LED_BUFFER94.1 D11_U_LED_BUFFER101.1 D11_U_LED_BUFFER102.1 D11_U_LED_BUFFER103.1 D11_U_LED_BUFFER104.1 D12_U_LED_BUFFER11.1 D12_U_LED_BUFFER12.1 D12_U_LED_BUFFER13.1 D12_U_LED_BUFFER14.1 D12_U_LED_BUFFER21.1 D12_U_LED_BUFFER22.1 D12_U_LED_BUFFER23.1 D12_U_LED_BUFFER24.1 D12_U_LED_BUFFER31.1 D12_U_LED_BUFFER32.1 D12_U_LED_BUFFER33.1 D12_U_LED_BUFFER34.1 D12_U_LED_BUFFER41.1 D12_U_LED_BUFFER42.1 D12_U_LED_BUFFER43.1 D12_U_LED_BUFFER44.1 D12_U_LED_BUFFER51.1 D12_U_LED_BUFFER52.1 D12_U_LED_BUFFER53.1 D12_U_LED_BUFFER54.1 D12_U_LED_BUFFER61.1 D12_U_LED_BUFFER62.1 D12_U_LED_BUFFER63.1 D12_U_LED_BUFFER64.1 D12_U_LED_BUFFER71.1 D12_U_LED_BUFFER72.1 D12_U_LED_BUFFER73.1 D12_U_LED_BUFFER74.1 D12_U_LED_BUFFER81.1 D12_U_LED_BUFFER82.1 D12_U_LED_BUFFER83.1 D12_U_LED_BUFFER84.1 D12_U_LED_BUFFER91.1 D12_U_LED_BUFFER92.1 D12_U_LED_BUFFER93.1 D12_U_LED_BUFFER94.1 D12_U_LED_BUFFER101.1 D12_U_LED_BUFFER102.1 D12_U_LED_BUFFER103.1 D12_U_LED_BUFFER104.1 D13_U_LED_BUFFER11.1 D13_U_LED_BUFFER12.1 D13_U_LED_BUFFER13.1 D13_U_LED_BUFFER14.1 D13_U_LED_BUFFER21.1 D13_U_LED_BUFFER22.1 D13_U_LED_BUFFER23.1 D13_U_LED_BUFFER24.1 D13_U_LED_BUFFER31.1 D13_U_LED_BUFFER32.1 D13_U_LED_BUFFER33.1 D13_U_LED_BUFFER34.1 D13_U_LED_BUFFER41.1 D13_U_LED_BUFFER42.1 D13_U_LED_BUFFER43.1 D13_U_LED_BUFFER44.1 D13_U_LED_BUFFER51.1 D13_U_LED_BUFFER52.1 D13_U_LED_BUFFER53.1 D13_U_LED_BUFFER54.1 D13_U_LED_BUFFER61.1 D13_U_LED_BUFFER62.1 D13_U_LED_BUFFER63.1 D13_U_LED_BUFFER64.1 D13_U_LED_BUFFER71.1 D13_U_LED_BUFFER72.1 D13_U_LED_BUFFER73.1 D13_U_LED_BUFFER74.1 D13_U_LED_BUFFER81.1 D13_U_LED_BUFFER82.1 D13_U_LED_BUFFER83.1 D13_U_LED_BUFFER84.1 D13_U_LED_BUFFER91.1 D13_U_LED_BUFFER92.1 D13_U_LED_BUFFER93.1 D13_U_LED_BUFFER94.1 D13_U_LED_BUFFER101.1 D13_U_LED_BUFFER102.1 D13_U_LED_BUFFER103.1 D13_U_LED_BUFFER104.1 D14_U_LED_BUFFER11.1 D14_U_LED_BUFFER12.1 D14_U_LED_BUFFER13.1 D14_U_LED_BUFFER14.1 D14_U_LED_BUFFER21.1 D14_U_LED_BUFFER22.1 D14_U_LED_BUFFER23.1 D14_U_LED_BUFFER24.1 D14_U_LED_BUFFER31.1 D14_U_LED_BUFFER32.1 D14_U_LED_BUFFER33.1 D14_U_LED_BUFFER34.1 D14_U_LED_BUFFER41.1 D14_U_LED_BUFFER42.1 D14_U_LED_BUFFER43.1 D14_U_LED_BUFFER44.1 D14_U_LED_BUFFER51.1 D14_U_LED_BUFFER52.1 D14_U_LED_BUFFER53.1 D14_U_LED_BUFFER54.1 D14_U_LED_BUFFER61.1 D14_U_LED_BUFFER62.1 D14_U_LED_BUFFER63.1 D14_U_LED_BUFFER64.1 D14_U_LED_BUFFER71.1 D14_U_LED_BUFFER72.1 D14_U_LED_BUFFER73.1 D14_U_LED_BUFFER74.1 D14_U_LED_BUFFER81.1 D14_U_LED_BUFFER82.1 D14_U_LED_BUFFER83.1 D14_U_LED_BUFFER84.1 D14_U_LED_BUFFER91.1 D14_U_LED_BUFFER92.1 D14_U_LED_BUFFER93.1 D14_U_LED_BUFFER94.1 D14_U_LED_BUFFER101.1 D14_U_LED_BUFFER102.1 D14_U_LED_BUFFER103.1 D14_U_LED_BUFFER104.1 L4.2 pad.@-250,-1720 R18.2 U4_U_LED_BUFFER11.19 U4_U_LED_BUFFER12.19 U4_U_LED_BUFFER13.19 U4_U_LED_BUFFER14.19 U4_U_LED_BUFFER21.19 U4_U_LED_BUFFER22.19 U4_U_LED_BUFFER23.19 U4_U_LED_BUFFER24.19 U4_U_LED_BUFFER31.19 U4_U_LED_BUFFER31_4_2.11 U4_U_LED_BUFFER32.19 U4_U_LED_BUFFER33.19 U4_U_LED_BUFFER34.19 U4_U_LED_BUFFER41.19 U4_U_LED_BUFFER42.19 U4_U_LED_BUFFER43.19 U4_U_LED_BUFFER44.19 U4_U_LED_BUFFER51.19 U4_U_LED_BUFFER52.19 U4_U_LED_BUFFER53.19 U4_U_LED_BUFFER54.19 U4_U_LED_BUFFER61.19 U4_U_LED_BUFFER62.19 U4_U_LED_BUFFER63.19 U4_U_LED_BUFFER64.19 U4_U_LED_BUFFER71.19 U4_U_LED_BUFFER72.19 U4_U_LED_BUFFER73.19 U4_U_LED_BUFFER74.19 U4_U_LED_BUFFER81.19 U4_U_LED_BUFFER82.19 U4_U_LED_BUFFER83.19 U4_U_LED_BUFFER84.19 U4_U_LED_BUFFER91.19 U4_U_LED_BUFFER92.19 U4_U_LED_BUFFER93.19 U4_U_LED_BUFFER94.19 U4_U_LED_BUFFER101.19 U4_U_LED_BUFFER102.19 U4_U_LED_BUFFER103.19 U4_U_LED_BUFFER104.19 U6.3 U7_U_LED_BUFFER11.20 U7_U_LED_BUFFER12.20 U7_U_LED_BUFFER13.20 U7_U_LED_BUFFER14.20 U7_U_LED_BUFFER21.20 U7_U_LED_BUFFER22.20 U7_U_LED_BUFFER23.20 U7_U_LED_BUFFER24.20 U7_U_LED_BUFFER31.20 U7_U_LED_BUFFER31_4_2.13 U7_U_LED_BUFFER32.20 U7_U_LED_BUFFER33.20 U7_U_LED_BUFFER34.20 U7_U_LED_BUFFER41.20 U7_U_LED_BUFFER42.20 U7_U_LED_BUFFER43.20 U7_U_LED_BUFFER44.20 U7_U_LED_BUFFER51.20 U7_U_LED_BUFFER52.20 U7_U_LED_BUFFER53.20 U7_U_LED_BUFFER54.20 U7_U_LED_BUFFER61.20 U7_U_LED_BUFFER62.20 U7_U_LED_BUFFER63.20 U7_U_LED_BUFFER64.20 U7_U_LED_BUFFER71.20 U7_U_LED_BUFFER72.20 U7_U_LED_BUFFER73.20 U7_U_LED_BUFFER74.20 U7_U_LED_BUFFER81.20 U7_U_LED_BUFFER82.20 U7_U_LED_BUFFER83.20 U7_U_LED_BUFFER84.20 U7_U_LED_BUFFER91.20 U7_U_LED_BUFFER92.20 U7_U_LED_BUFFER93.20 U7_U_LED_BUFFER94.20 U7_U_LED_BUFFER101.20 U7_U_LED_BUFFER102.20 U7_U_LED_BUFFER103.20 U7_U_LED_BUFFER104.20 | length 2834.4
  Top Layer w7: U7_U_LED_BUFFER31_4_2.13@446.02,-2205.67 446.23,-2205.46 446.23,-2123.77 v1(450,-2120)
  Top Layer w15: C28_U_LED_BUFFER31.1@-67.56,-2690 -67.56,-2635.16 U7_U_LED_BUFFER31.20@-55.67,-2635.16 ; U7_U_LED_BUFFER11.20@235.16,-2205.67 235.16,-2217.56 C28_U_LED_BUFFER11.1@290,-2217.56 ; U4_U_LED_BUFFER31_4_2.11@394.84,-1875.67 394.84,-1834.67 424.33,-1805.18 v1(426.28,-1805.18) ; U7_U_LED_BUFFER41.20@1685.16,-3105.67 1685.16,-3117.56 1705.1,-3117.56 C28_U_LED_BUFFER41.1@1740,-3117.56 ; U7_U_LED_BUFFER21.20@1685.16,-2215.67 1685.16,-2227.56 C28_U_LED_BUFFER21.1@1740,-2227.56
  Top Layer w20: -218.04,-1174.9 -172.77,-1220.17 -172.77,-1562.9 v1(-197.12,-1587.25)
  Bottom Layer w15: v1(1378.47,-2732.85) 1378.47,-2735.28 1378.47,-2755.94 1412.52,-2790 1610,-2790 1631.5,-2811.5 D10_U_LED_BUFFER41.1@1631.5,-2850 ; D10_U_LED_BUFFER31.1@1631.5,-2250 1646.62,-2265.13 1705.1,-2265.13
  Bottom Layer w20: D12_U_LED_BUFFER11.1@31.5,-1950 D7_U_LED_BUFFER11.1@31.5,-1800
  Bottom Layer w50: -850,-660 -720,-660 -520,-860 -520,-1080 -670,-1230 -670,-1461.44 -520,-1611.44 C27.2@-421.7,-1611.44
  other v1: 1705.1,-3115.13 1380,-3110 1730,-2740 332.26,-2670.67 -65.13,-2655.1 -60,-2330 1705.1,-2225.13 1380,-2220 315.28,-2212.83 -70,-2210 320,-2210 1730,-1850 1378.47,-1842.85 280,-1840 -71.53,-1832.85 30,-1780 -328.59,-1654.05 -195.51,-1649.78 -329.5,-1590.9 -482.5,-1577.6 -840,-720 -910,-670 -840,-630 -910,-590